# Altium PCB PCB_ovladaci_karta.PcbDoc (part 4 of 4)
Units mm, origin at the board's own origin, x right, y up, seen from the top; angles counter-clockwise.
Board outline 99.2 x 100 mm, 6 copper layers (Top Layer, Inner Layer 2(GND), Inner Layer 3, Inner Layer 4, Inner Layer 5, Bottom Layer 1), stack 1.548 mm thick; 236 components, 248 nets, 895 pads, 601 vias.
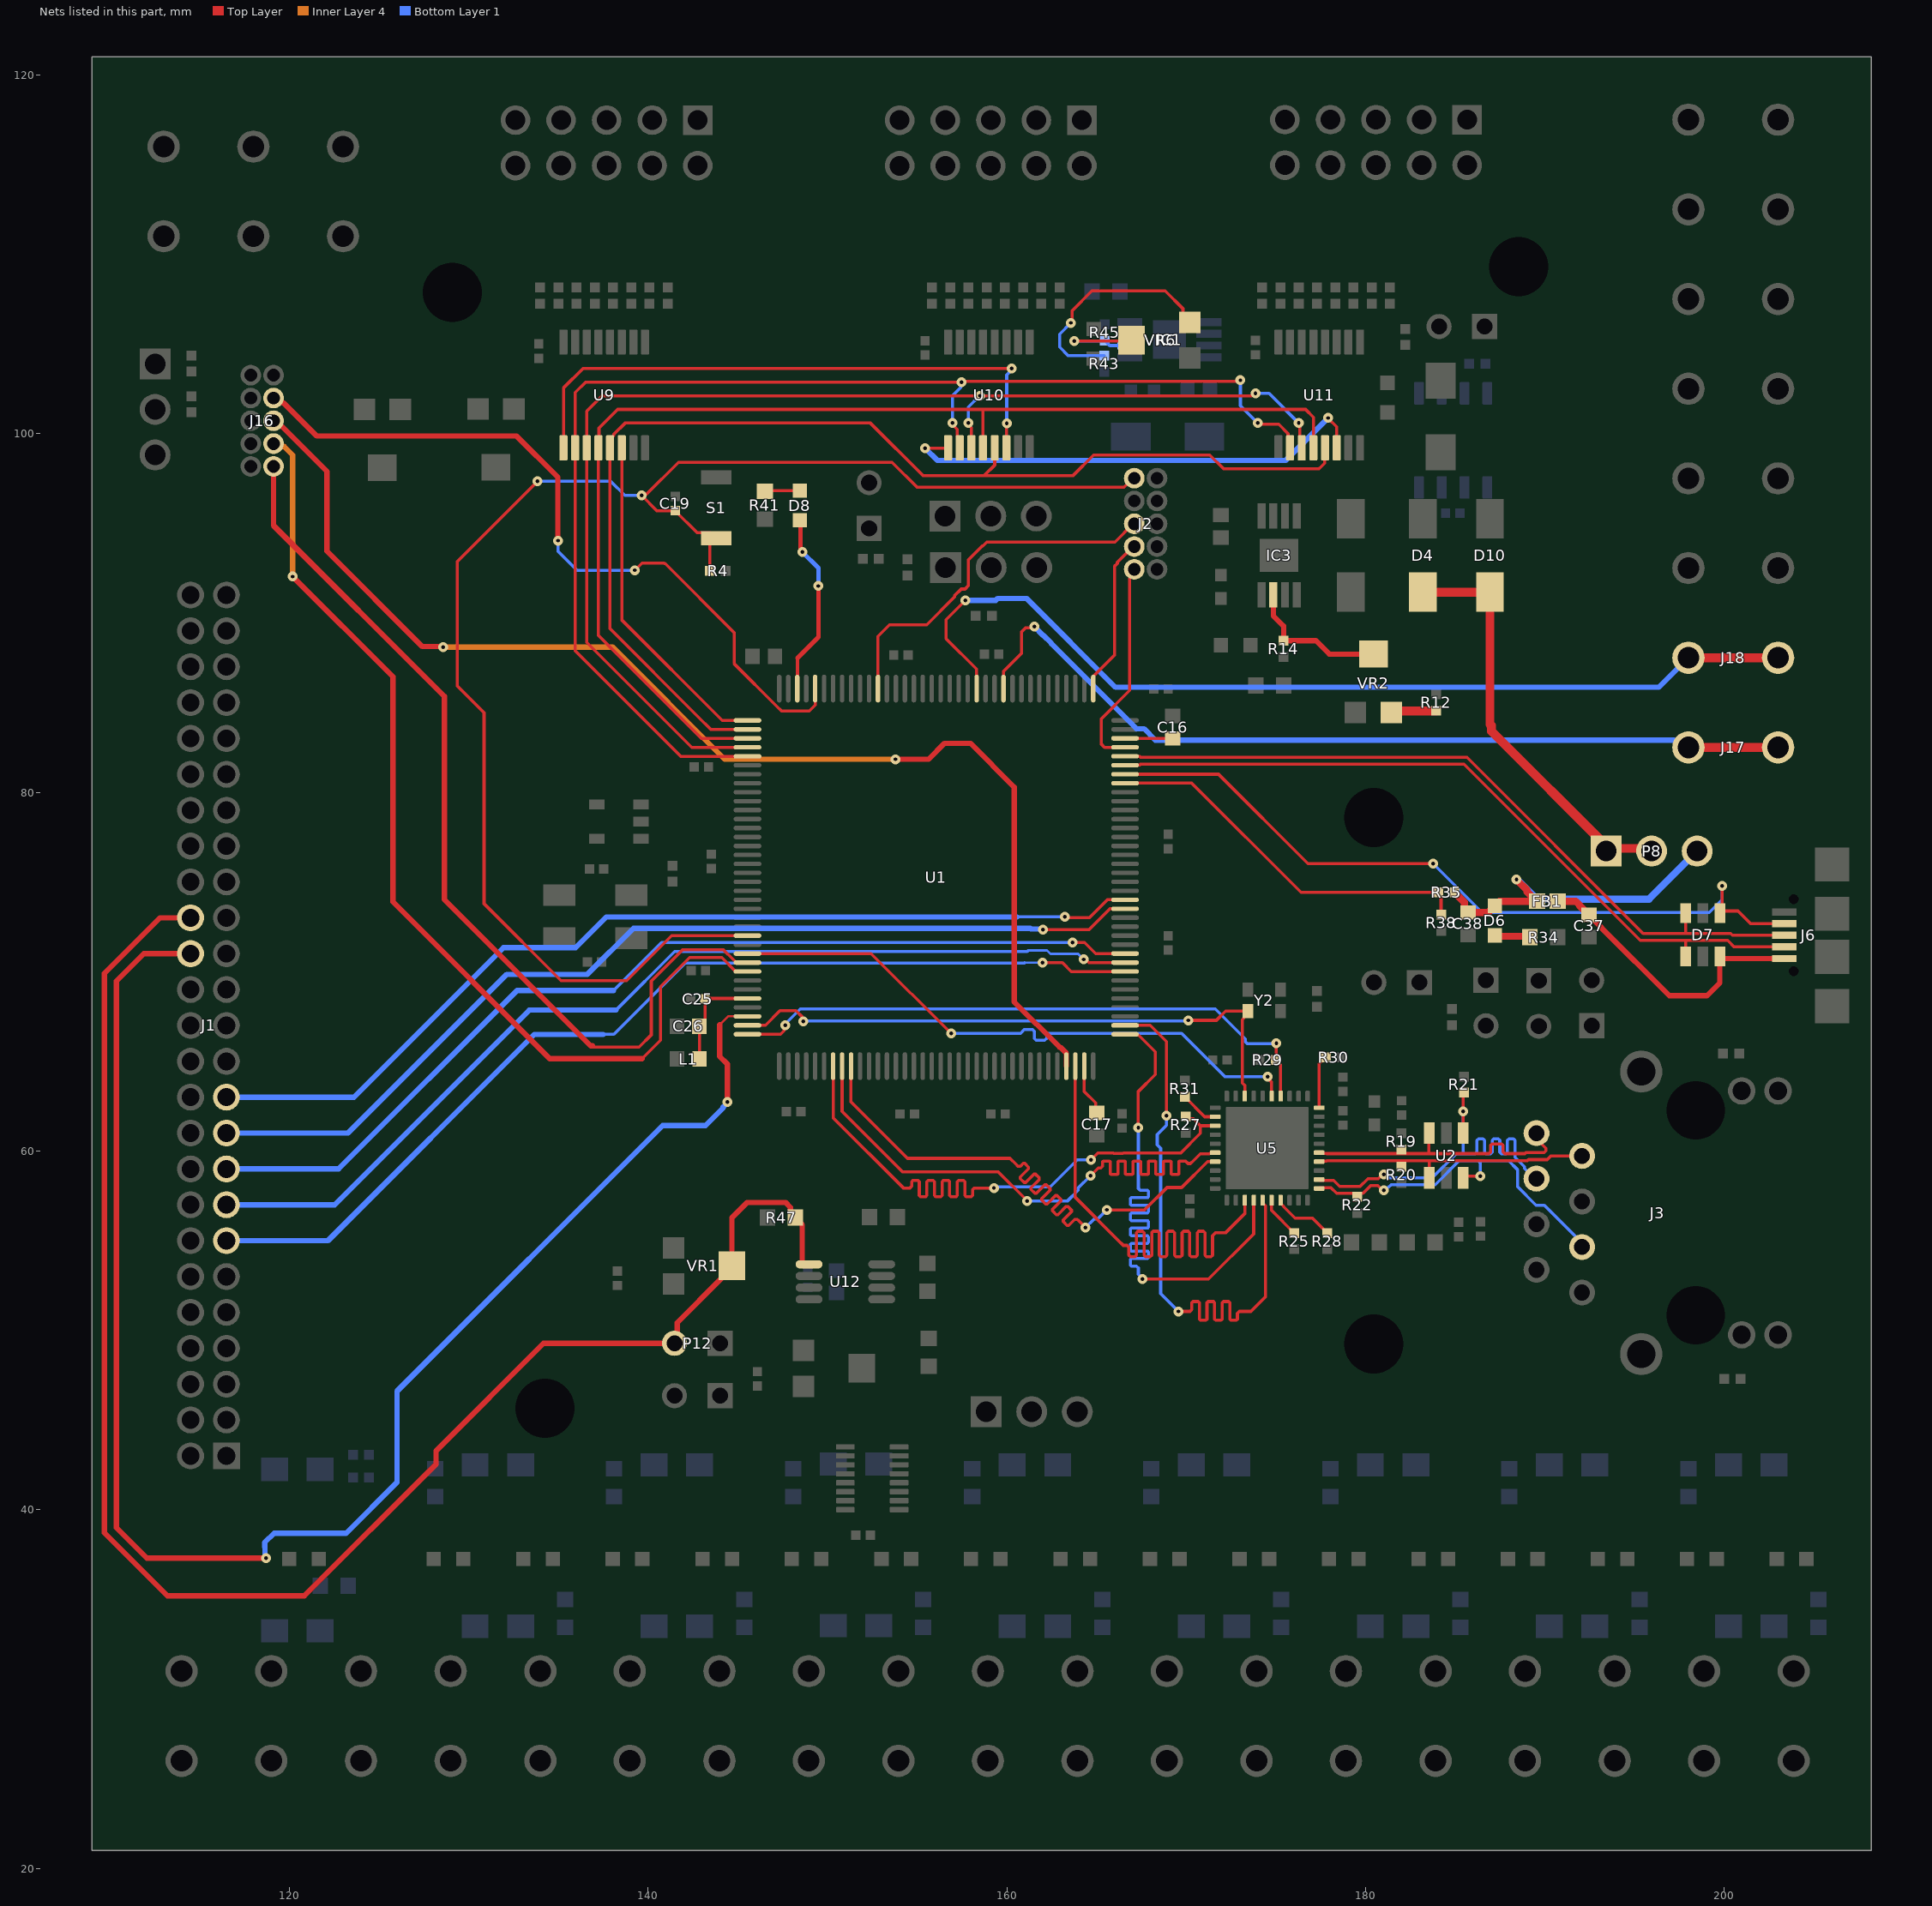
[diagram p8: the nets of this part, all layers, seen from the top]

## Via types
v1: diameter 0.55, hole 0.21, Top Layer to Bottom Layer 1, tented both sides, 589 vias
v2: diameter 0.5, hole 0.2, Top Layer to Bottom Layer 1, 12 vias

## Nets (pads, with @x,y where several pads share a name; then routed paths per layer and width w, separated by ;. In a path a pad name is that pad's centre, name@x,y a point inside that pad or via, vN(x,y) a via of type N, cw(c..) or ccw(c..) an arc to the next point about the centre after c; other vN are vias at no path point) (continued)
PMOS_SHFT_6TO10_NOE: J1.15 U1.81 | length 56.2
  Top Layer w0.17: v1(164.29,70.681) 164.362,70.609 164.472,70.609 164.58,70.501 U1.81@166.591,70.501
  Bottom Layer 1 w0.127: 161.202,71.179 162.248,71.179 162.433,70.993 163.978,70.993 v1(164.29,70.681)
  Bottom Layer 1 w0.17: 138.224,67.856 141.487,71.12 161.144,71.12 161.202,71.179
  Bottom Layer 1 w0.3: J1.15@116.5,57 122.532,57 133.388,67.856 138.224,67.856
PMOS_SHFT_6TO10_RCLK: J1.17 U1.82 | length 55.6
  Top Layer w0.17: v1(163.666,71.628) 164.333,71.628 164.956,71.005 U1.82@166.595,71.005
  Bottom Layer 1 w0.17: 138.08,68.948 140.76,71.628 v1(163.666,71.628)
  Bottom Layer 1 w0.3: J1.17@116.5,59 122.754,59 132.702,68.948 138.08,68.948
PMOS_SHFT_6TO10_SER: J1.13 U1.80 | length 56.7
  Top Layer w0.17: v1(162,70.5) 163.104,70.5 163.599,70.005 U1.80@166.595,70.005
  Bottom Layer 1 w0.127: 161,70.5 v1(162,70.5)
  Bottom Layer 1 w0.17: 137.5,66.5 138.103,66.5 142.088,70.485 160.985,70.485 161,70.5
  Bottom Layer 1 w0.3: J1.13@116.5,55 122.162,55 133.662,66.5 137.5,66.5
PMOS_SHFT_6TO10_SRCLK: J1.19 U1.87 | length 55.3
  Top Layer w0.17: v1(162.027,72.339) 164.589,72.339 165.751,73.501 166.591,73.501 U1.87@166.595,73.505
  Bottom Layer 1 w0.3: J1.19@116.5,61 123.281,61 132.128,69.847 136.623,69.847 139.191,72.415 161.315,72.415 161.353,72.377 161.988,72.377 v1(162.027,72.339)
PMOS_SHFT_6TO10_SRCLR: J1.21 U1.88 | length 54.7
  Top Layer w0.17: v1(163.246,73.05) 163.297,73 164.592,73 165.597,74.005 U1.88@166.595,74.005
  Bottom Layer 1 w0.17: 160.572,73.05 v1(163.246,73.05)
  Bottom Layer 1 w0.3: J1.21@116.5,63 123.607,63 131.94,71.333 135.961,71.333 137.678,73.05 160.572,73.05
PORTS2_SER: U9.9 U10.14 | length 33.3
  Top Layer w0.17: U9.9@135.287,99.202 135.287,102.539 136.38,103.632 v1(160.274,103.632) ; U10.14@159.979,99.202 159.989,99.213 159.989,100.553 v1(159.999,100.563)
  Bottom Layer 1 w0.17: v1(159.999,100.563) 159.999,103.268 160.274,103.543 v1(160.274,103.632)
PORTS3_SER: U10.9 U11.14 | length 26.8
  Top Layer w0.17: v1(155.448,99.187) 156.714,99.187 U10.9@156.729,99.202 ; v1@177.927,100.838 178.394,100.371 U11.14@178.394,99.202
  Bottom Layer 1 w0.3: v1(155.448,99.187) 156.135,98.5 175.542,98.5 v1(177.911,100.869)
PORTS_OE: U1.2 U9.13 U10.13 U11.13 | length 65.6
  Top Layer w0.17: U1.2@145.545,83.505 143.503,83.505 142.782,84.226 142.773,84.226 137.887,89.113 U9.13@137.887,99.202 137.887,99.677 138.1,99.89 138.1,99.961 138.723,100.584 152.4,100.584 155.321,97.663 158.75,97.663 ; U10.13@159.329,99.202 159.329,98.242 158.75,97.663 ; U11.13@177.744,99.202 177.722,99.18 177.722,98.347 177.531,98.156 177.419,98.044 172.085,98.044 171.323,98.806 164.846,98.806 163.703,97.663 158.75,97.663
PORTS_RCLK: U1.3 U9.12 U10.12 U11.12 | length 66.6
  Top Layer w0.17: U1.3@145.597,83.005 142.979,83.005 137.237,88.747 U9.12@137.237,99.202 137.269,99.234 137.269,100.312 138.303,101.346 158.623,101.346 ; U10.12@158.679,99.202 158.679,101.29 158.623,101.346 ; U11.12@177.094,99.202 177.094,100.909 176.657,101.346 158.623,101.346
PORTS_SER: U1.1 U9.14 | length 18.9
  Top Layer w0.17: U9.14@138.537,99.202 138.537,89.606 144.138,84.005 U1.1@145.545,84.005
PORTS_SRCLK: U1.4 U9.11 U10.11 U11.11 | length 70
  Top Layer w0.17: U1.4@145.793,82.505 142.437,82.505 136.587,88.356 U9.11@136.587,99.202 136.587,101.246 137.448,102.108 173.647,102.108 173.774,102.235 v1(173.863,102.235) ; v1(157.861,100.584) 157.861,100.495 158.029,100.327 U10.11@158.029,99.202 ; v1(176.276,100.584) 176.339,100.521 176.339,99.307 U11.11@176.444,99.202
  Bottom Layer 1 w0.17: v1(157.861,100.584) 157.861,101.473 v1(158.496,102.108) ; v1(173.863,102.235) 174.625,102.235 v1(176.276,100.584)
PORTS_SRCLR: U1.5 U9.10 U10.10 U11.10 | length 73.4
  Top Layer w0.17: U1.5@145.545,82.005 141.82,82.005 135.937,87.888 U9.10@135.937,99.202 135.937,102.282 136.525,102.87 v1(157.48,102.87) 157.531,102.921 172.974,102.921 v1(173.025,102.972) ; v1(156.972,100.584) 156.972,100.495 157.239,100.228 157.239,99.817 157.379,99.677 U10.10@157.379,99.202 ; v1(173.99,100.584) 174.053,100.521 175.16,100.521 175.678,100.003 175.678,99.318 U11.10@175.794,99.202
  Bottom Layer 1 w0.17: v1(156.972,100.584) 156.972,102.108 157.42,102.556 157.42,102.81 v1(157.48,102.87) ; v1(173.025,102.972) 173.025,101.549 v1(173.99,100.584)
R_BIAS: R30.2 U5.20 | length 3
  Top Layer w0.17: U5.20@177.417,62.406 177.417,64.862 R30.2@177.782,65.227
RD_N: J3.6 R22.2 U2.6 U5.11 | length 20.7
  Top Layer w0.17: U5.11@177.417,57.906 177.457,57.946 177.712,57.946 177.727,57.961 178.064,57.961 178.39,57.635 R22.2@179.527,57.635 ; R22.2@179.527,57.448 R22.2@179.527,57.635 ; v1(181.025,57.81) 180.95,57.81 180.692,58.068 180.292,58.068 179.859,57.635 R22.2@179.527,57.635 ; U2.6@185.45,58.5 185.55,58.6 v1(186.4,58.6)
  Bottom Layer 1 w0.17: v1(181.025,57.81) 181.101,57.81 181.29,57.999 181.315,57.999 181.436,58.12 183.884,58.12 185.216,59.452 186.275,59.452 ; v1@186.275,58.6 v1(186.4,58.6) 186.4,59.327 186.275,59.452 ; J3.6@192.07,54.645 192.07,54.877 189.97,56.977 189.506,56.977 188.468,58.015 188.468,58.965 187.981,59.452 186.275,59.452
RD_P: J3.3 R21.2 U2.1 U5.12 | length 23
  Top Layer w0.17: U5.12@177.417,58.406 177.457,58.366 177.712,58.366 177.727,58.351 178.225,58.351 178.551,58.025 179.697,58.025 180.13,58.458 180.708,58.458 180.95,58.699 v1(181.025,58.699) ; U2.1@185.45,61 185.443,61.007 185.443,63.193 R21.2@185.5,63.25
  Bottom Layer 1 w0.17: v1(181.025,58.699) 181.101,58.699 181.29,58.51 183.723,58.51 185.055,59.842 185.542,59.842 ; v1(185.443,62.198) 185.445,62.196 185.445,59.939 185.542,59.842 ; J3.3@189.53,58.455 189.428,58.455 188.858,59.025 188.858,59.127 188.787,59.198 188.333,59.652 188.333,60.589 188.248,60.674 187.994,60.674 187.909,60.589 187.909,59.927 187.824,59.842 187.57,59.842 187.485,59.927 187.485,60.589 187.4,60.674 187.146,60.674 187.061,60.589 187.061,59.927 186.976,59.842 186.722,59.842 186.637,59.927 186.637,60.589 186.552,60.674 186.298,60.674 186.213,60.589 186.213,59.942 186.113,59.842 186.028,59.842 185.542,59.842
RMII_CRS_DV_PA7: R27.2 U1.43 U5.33 | length 34.9
  Top Layer w0.17: U1.43@150.32,64.73 150.32,61.852 154.235,57.937 154.466,57.937 154.599,57.937 154.698,58.037 154.698,58.284 154.762,58.348 155.059,58.348 155.122,58.284 155.122,57.522 155.186,57.458 155.483,57.458 155.546,57.522 155.546,58.284 155.61,58.348 155.907,58.348 155.97,58.284 155.97,57.522 156.034,57.458 156.331,57.458 156.394,57.522 156.394,58.284 156.458,58.348 156.755,58.348 156.818,58.284 156.818,57.522 156.882,57.458 157.179,57.458 157.242,57.522 157.242,58.284 157.306,58.348 157.603,58.348 157.666,58.284 157.666,57.522 157.73,57.458 158.027,57.458 158.09,57.522 158.09,57.838 158.19,57.937 158.275,57.937 v1(159.283,57.937) ; v1(164.694,59.512) 165.075,59.893 165.933,59.893 165.963,59.863 166.472,59.863 166.502,59.893 169.702,59.893 170.795,60.987 170.795,61.406 ; R27.2@169.977,61.918 170.101,61.794 170.407,61.794 170.795,61.406 ; U5.33@171.617,61.406 170.795,61.406
  Bottom Layer 1 w0.17: v1(159.283,57.937) 159.347,58.001 162.42,58.001 163.932,59.512 v1(164.694,59.512)
RMII_MDC_PC1: U1.27 U5.25 | length 33.8
  Top Layer w0.17: U1.27@145.545,71.005 152.439,71.005 v1(156.896,66.548) ; v1(174.549,64.135) 174.549,64.046 174.767,63.828 U5.25@174.767,63.056
  Bottom Layer 1 w0.17: v1(156.896,66.548) 160.68,66.548 160.765,66.548 160.867,66.65 160.867,66.664 160.969,66.766 161.443,66.766 161.545,66.664 161.545,66.274 161.647,66.172 162.121,66.172 162.223,66.274 162.223,66.446 162.325,66.548 162.662,66.548 169.748,66.548 172.161,64.135 v1(174.549,64.135)
RMII_MDIO_PA2: R29.2 U1.36 U5.24 | length 34.3
  Top Layer w0.17: U1.36@145.545,66.505 147.389,66.505 147.577,66.693 147.577,66.932 v1(147.65,67.005) ; v1(175.031,66.015) 175.031,65.195 174.955,65.118 175.267,64.807 U5.24@175.267,63.056
  Bottom Layer 1 w0.17: v1(147.65,67.005) 147.65,67.086 148.484,67.92 171.628,67.92 173.304,66.243 173.304,66.087 173.404,65.987 175.004,65.987 v1(175.031,66.015)
RMII_MII_MODE: R31.2 U5.32 | length 2.2
  Top Layer w0.17: R31.2@169.926,63.017 171.037,61.906 U5.32@171.617,61.906
RMII_REF_CLK_PA1: U1.35 U5.28 Y2.3 | length 33.7
  Top Layer w0.17: U1.35@145.554,67.014 146.549,67.014 147.356,67.821 148.245,67.821 148.593,67.473 148.593,67.307 v1(148.666,67.234) ; v1(170.129,67.285) 171.686,67.285 172.205,67.803 Y2.3@173.447,67.803 ; U5.28@173.267,63.056 173.267,63.658 173.137,63.788 173.137,67.327 173.235,67.425 173.235,67.585 Y2.3@173.45,67.8
  Bottom Layer 1 w0.17: v1(148.666,67.234) 148.692,67.259 170.104,67.259 v1(170.129,67.285)
RMII_RXD_0_PC4: U1.44 U5.36 | length 33.9
  Top Layer w0.17: U1.44@150.82,64.73 150.82,62.21 154.203,58.826 159.537,58.826 161.138,57.226 v1(161.138,57.201) ; v1(164.668,58.623) 164.673,58.623 165.108,59.058 165.161,59.058 165.246,59.058 165.346,59.158 165.346,59.397 165.388,59.44 165.727,59.44 165.77,59.397 165.77,58.728 165.812,58.686 166.151,58.686 166.194,58.728 166.194,59.397 166.236,59.44 166.575,59.44 166.618,59.397 166.618,58.728 166.66,58.686 166.999,58.686 167.042,58.728 167.042,59.397 167.084,59.44 167.423,59.44 167.466,59.397 167.466,58.728 167.508,58.686 167.847,58.686 167.89,58.728 167.89,59.397 167.932,59.44 168.271,59.44 168.314,59.397 168.314,58.728 168.356,58.686 168.695,58.686 168.738,58.728 168.738,59.397 168.78,59.44 169.119,59.44 169.162,59.397 169.162,58.728 169.204,58.686 169.543,58.686 169.586,58.728 169.586,59.397 169.628,59.44 169.967,59.44 170.107,59.3 170.248,59.3 170.459,59.512 170.79,59.843 171.302,59.843 171.326,59.866 171.577,59.866 U5.36@171.617,59.906
  Bottom Layer 1 w0.17: v1(161.138,57.201) 163.372,57.201 163.984,57.812 163.984,57.939 v1(164.668,58.623)
RMII_RXD_1_PC5: U1.45 U5.37 | length 33.7
  Top Layer w0.17: U1.45@151.32,64.73 151.32,62.726 154.457,59.588 160.184,59.588 160.514,59.259 160.619,59.154 160.76,59.154 160.913,59.307 161.003,59.307 161.213,59.097 161.213,59.007 160.756,58.55 160.756,58.46 160.966,58.25 161.056,58.25 161.513,58.707 161.603,58.707 161.813,58.497 161.813,58.407 161.355,57.95 161.355,57.86 161.565,57.65 161.655,57.65 162.112,58.108 162.202,58.108 162.412,57.898 162.412,57.808 161.955,57.351 161.955,57.261 162.165,57.051 162.255,57.051 162.712,57.508 162.802,57.508 163.012,57.298 163.012,57.208 162.555,56.751 162.555,56.661 162.764,56.451 162.854,56.451 163.312,56.908 163.402,56.908 163.611,56.699 163.611,56.609 163.154,56.151 163.154,56.061 163.364,55.852 163.454,55.852 163.789,56.187 163.93,56.187 163.99,56.126 v1(164.389,55.728) ; v1(165.583,56.718) 167.691,56.718 168.935,57.963 169.748,57.963 171.191,59.406 U5.37@171.617,59.406
  Bottom Layer 1 w0.17: v1(164.389,55.728) 164.858,56.197 165.062,56.197 v1(165.583,56.718)
RMII_TX_EN_PB11: U1.70 U5.3 | length 34
  Top Layer w0.17: U1.70@163.82,64.73 163.82,57.414 166.209,55.025 166.497,54.737 166.707,54.737 166.807,54.637 166.807,54.188 166.892,54.104 167.146,54.104 167.231,54.188 167.231,55.44 167.316,55.525 167.57,55.525 167.655,55.44 167.655,54.188 167.74,54.104 167.994,54.104 168.079,54.188 168.079,55.44 168.164,55.525 168.418,55.525 168.503,55.44 168.503,54.188 168.588,54.104 168.842,54.104 168.927,54.188 168.927,55.44 169.012,55.525 169.266,55.525 169.351,55.44 169.351,54.188 169.436,54.104 169.69,54.104 169.775,54.188 169.775,55.44 169.86,55.525 170.114,55.525 170.199,55.44 170.199,54.188 170.284,54.104 170.538,54.104 170.623,54.188 170.623,55.44 170.708,55.525 170.962,55.525 171.047,55.44 171.047,54.188 171.132,54.104 171.386,54.104 171.471,54.188 171.471,55.267 171.571,55.366 171.656,55.451 172.214,55.451 173.267,56.503 U5.3@173.267,57.256
RMII_TXD_0_PB12: U1.73 U5.4 | length 33.7
  Top Layer w0.17: U1.73@166.595,66.505 166.61,66.49 167.317,66.49 168.275,65.532 168.275,64.26 167.334,63.319 v1(167.335,61.29) ; v1(167.564,52.857) 171.247,52.857 173.767,55.378 U5.4@173.767,57.256
  Bottom Layer 1 w0.17: v1(167.335,61.29) 167.335,58.089 167.335,57.915 167.435,57.815 167.838,57.815 167.902,57.752 167.902,57.455 167.838,57.391 166.949,57.391 166.886,57.328 166.886,57.031 166.949,56.967 167.838,56.967 167.902,56.904 167.902,56.607 167.838,56.543 166.949,56.543 166.886,56.48 166.886,56.183 166.949,56.119 167.838,56.119 167.902,56.056 167.902,55.759 167.838,55.695 166.949,55.695 166.886,55.632 166.886,55.335 166.949,55.271 167.838,55.271 167.902,55.208 167.902,54.911 167.838,54.847 166.949,54.847 166.886,54.784 166.886,54.487 166.949,54.423 167.838,54.423 167.902,54.36 167.902,54.063 167.838,53.999 166.949,53.999 166.886,53.936 166.886,53.639 166.949,53.575 167.236,53.575 167.335,53.476 167.335,53.391 167.335,53.122 167.564,52.893 v1(167.564,52.857)
RMII_TXD_1_PB_13: U1.74 U5.5 | length 34.8
  Top Layer w0.17: U1.74@166.595,67.005 167.996,67.005 168.899,66.102 v1(168.899,61.965) ; v1(169.57,51.054) 170.129,51.054 170.214,51.054 170.314,51.154 170.314,51.542 170.377,51.606 170.674,51.606 170.738,51.542 170.738,50.625 170.801,50.561 171.098,50.561 171.162,50.625 171.162,51.542 171.225,51.606 171.522,51.606 171.586,51.542 171.586,50.625 171.649,50.561 171.946,50.561 172.01,50.625 172.01,51.542 172.073,51.606 172.37,51.606 172.434,51.542 172.434,50.625 172.497,50.561 172.794,50.561 172.858,50.625 172.858,50.954 172.957,51.054 173.38,51.054 173.609,51.054 174.422,51.867 174.422,56.941 174.322,57.041 174.307,57.041 174.267,57.081 U5.5@174.267,57.256
  Bottom Layer 1 w0.17: v1(168.899,61.965) 168.899,61.431 168.388,60.92 168.388,60.34 168.58,60.148 168.58,52.045 v1(169.57,51.054)
SPI2_MISO: J16.1 U1.28 | length 52.7
  Top Layer w0.17: 136.906,65.857 136.971,65.792 139.503,65.792 140.183,66.472 140.183,69.469 141.922,71.208 144.215,71.208 144.755,70.668 144.855,70.568 144.855,70.567 144.917,70.505 U1.28@145.545,70.505
  Top Layer w0.3: J16.1@119.126,98.171 119.126,94.869 128.644,85.351 128.644,74.022 136.809,65.857 136.906,65.857
SPI2_MOSI: J16.3 U1.29 | length 56.4
  Top Layer w0.17: 139.675,65.151 140.691,66.167 140.691,69.158 142.322,70.79 144.11,70.79 144.895,70.005 U1.29@145.545,70.005
  Top Layer w0.3: v1(120.193,92.024) 125.781,86.436 125.781,73.889 134.518,65.151 139.675,65.151
  Inner Layer 4 w0.3: J16.3@119.126,99.441 119.289,99.278 119.72,99.278 120.193,98.806 v1(120.193,92.024)
SPI2_NSS: J16.7 U1.140 | length 42.2
  Top Layer w0.17: v1(139.268,92.38) 139.663,92.775 140.879,92.775 140.909,92.745 140.961,92.745 144.8,88.905 144.8,87.173 147.18,84.793 147.183,84.793 147.447,84.529 147.932,84.529 148.985,84.529 149.32,84.864 U1.140@149.32,85.78
  Top Layer w0.3: J16.7@119.126,101.981 119.356,101.981 119.634,101.703 119.697,101.703 121.535,99.865 132.672,99.865 134.976,97.561 v1(134.976,94.031)
  Bottom Layer 1 w0.17: v1(134.976,94.031) 134.976,93.447 136.042,92.38 v1(139.268,92.38)
SPI2_SCK: J16.5 U1.69 | length 69.9
  Top Layer w0.3: J16.5@119.126,100.711 119.277,100.711 122.103,97.885 122.103,93.441 127.419,88.125 128.537,88.125 v1(128.575,88.087) ; v1(153.797,81.839) 155.642,81.839 156.531,82.728 157.976,82.728 160.419,80.285 160.419,68.308 162.945,65.782 162.987,65.782 163.32,65.449 U1.69@163.32,64.73
  Inner Layer 4 w0.3: v1(128.575,88.087) 138.035,88.087 144.283,81.839 v1(153.797,81.839)
status_LED: D8.2 U1.142 | length 10.3
  Top Layer w0.17: U1.142@148.32,85.78 148.334,85.794 148.334,87.484 ; D8.2@148.463,95.162 D8.2@148.5,95.125
  Top Layer w0.25: 148.334,87.484 149.5,88.649 v1(149.5,91.5) ; D8.2@148.5,95.125 148.5,93.581 148.6,93.481 v1(148.6,93.4)
  Bottom Layer 1 w0.25: v1(148.6,93.4) 149.5,92.5 v1(149.5,91.5)
STATUS_LED_K: D8.1 R41.2 | length 2
  Top Layer w0.17: R41.2@146.51,96.78 146.542,96.812 D8.1@148.463,96.812
STM_NRTS: C19.1 J2.10 R4.2 S1.2 U1.25 | length 85.7
  Top Layer w0.17: v1(133.833,97.333) 129.362,92.862 129.362,85.928 130.861,84.43 130.861,73.787 135.153,69.494 138.811,69.494 141.322,72.005 U1.25@145.545,72.005 ; R4.2@143.441,92.354 143.441,93.845 143.756,94.16 143.441,94.475 142.741,94.475 C19.1@141.515,95.7 140.495,95.7 v1(139.649,96.545) 139.722,96.618 139.921,96.618 141.703,98.4 153.6,98.4 155,97 166.537,97 167.047,97.511 J2.10@167.107,97.511
  Bottom Layer 1 w0.17: v1(133.833,97.333) 137.922,97.333 138.709,96.545 v1(139.649,96.545)
SWCLK: J2.4 U1.109 | length 8.9
  Top Layer w0.17: U1.109@164.82,85.78 164.82,86.452 164.86,86.492 164.86,86.503 166,87.643 166,92.594 166.167,92.761 166.167,92.82 167.047,93.701 J2.4@167.107,93.701
SWDIO: J2.2 U1.105 | length 11.9
  Top Layer w0.17: U1.105@166.595,82.505 165.45,82.505 165.278,82.677 165.278,84.099 166.853,85.674 166.853,91.911 167.107,92.165 J2.2@167.107,92.431
SWO: J2.6 U1.133 | length 20.7
  Top Layer w0.17: U1.133@152.82,85.78 152.82,88.696 153.459,89.336 155.536,89.336 157.086,90.886 157.086,90.954 157.462,91.331 157.677,91.331 157.849,91.503 157.849,92.949 158.633,93.734 158.664,93.734 158.885,93.955 166.031,93.955 167.047,94.971 J2.6@167.107,94.971
TD_N: J3.2 R20.2 U2.4 U5.14 | length 16.1
  Top Layer w0.17: U5.14@177.417,59.406 177.453,59.442 177.828,59.442 177.847,59.461 181.991,59.461 ; R20.2@181.991,59.099 181.991,59.461 ; U2.4@183.515,58.515 183.55,58.55 183.55,59.45 183.561,59.461 ; J3.2@192.07,59.725 190.328,59.725 190.12,59.517 189.09,59.517 189.034,59.461 183.561,59.461 ; 181.991,59.461 183.561,59.461
TD_P: J3.1 R19.2 U2.3 U5.15 | length 16.2
  Top Layer w0.17: U5.15@177.417,59.906 177.453,59.87 177.828,59.87 177.847,59.851 R19.2@181.991,59.851 ; R19.2@181.991,60.078 R19.2@181.991,59.851 ; 183.525,59.853 183.525,60.925 U2.3@183.55,60.95 ; J3.1@189.53,60.995 189.53,60.675 190.058,60.147 190.058,60.007 189.958,59.907 188.929,59.907 188.873,59.851 188.076,59.851 187.76,59.851 187.66,59.951 187.66,60.326 187.592,60.394 187.05,60.394 186.982,60.326 186.982,59.951 186.882,59.851 186.797,59.851 R19.2@181.991,59.851
TRIM_CW_3V3: R12.2 VR2.3 | length 2.5
  Top Layer w0.5: VR2.3@181.436,84.452 181.511,84.527 183.911,84.527 R12.2@183.936,84.552
TRIM_CW_5V: R43.2 VR6.3 | length 13
  Top Layer w0.17: v1(163.576,106.172) 163.639,106.235 163.639,106.845 164.749,107.955 168.829,107.955 169.822,106.962 169.822,106.588 VR6.3@170.203,106.207
  Bottom Layer 1 w0.17: v1(163.576,106.172) 162.945,105.541 162.945,104.822 163.431,104.336 R43.2@165.43,104.336
TRIM_WIP_3V3: IC3.2 R14.1 VR2.2 | length 8.1
  Top Layer w0.3: IC3.2@174.861,91.002 174.861,89.84 175.436,89.265 R14.1@175.436,88.452 177.236,88.452 177.986,87.702 VR2.2@180.436,87.702
TRIM_WIP_5V: IC1.2 R45.1 VR6.2 | length 6.5
  Top Layer w0.17: v1(163.754,105.156) 166.902,105.156 VR6.2@166.953,105.207
  Bottom Layer 1 w0.17: v1(163.754,105.156) 165.423,105.156 R45.1@165.456,105.189 165.737,104.907 IC1.2@166.862,104.907
TXD_2: R25.1 U5.6 | length 2.4
  Top Layer w0.17: U5.6@174.767,57.256 174.767,56.678 R25.1@176.022,55.423
TXD_3: R28.1 U5.7 | length 3.5
  Top Layer w0.17: U5.7@175.267,57.256 175.267,57.081 175.43,56.918 175.43,56.897 176.072,56.255 177.044,56.255 R28.1@177.876,55.423
USART2_RX: J18.1 J18.2 U1.122 | length 54.1
  Top Layer w0.17: v1(157.7,90.7) 156.624,89.624 156.624,88.561 158.32,86.865 U1.122@158.32,85.78
  Top Layer w0.5: J18.1@198,87.5 J18.2@203,87.5
  Bottom Layer 1 w0.3: v1(157.7,90.7) 159.388,90.7 159.493,90.805 161.113,90.805 166.066,85.852 196.352,85.852 J18.1@198,87.5
USART2_TX: J17.1 J17.2 U1.119 | length 48.7
  Top Layer w0.17: U1.119@159.82,85.78 159.82,86.744 160.834,87.758 160.834,88.951 161.05,89.167 161.481,89.167 v1(161.544,89.23)
  Top Layer w0.5: J17.1@198,82.5 J17.2@203,82.5
  Bottom Layer 1 w0.3: v1(161.544,89.23) 162.024,88.751 162.039,88.751 162.487,88.302 162.487,88.287 167.234,83.541 167.65,83.541 168.285,82.906 197.189,82.906 197.594,82.5 J17.1@198,82.5
USB_5V: C38.1 D6.2 FB1.2 P8.3 R35.1 | length 18.9
  Top Layer w0.4: R35.1@184.963,74.421 185.515,73.868 185.515,73.494 C38.1@185.713,73.297 186.838,73.297 187.463,73.921 FB1.2@189.56,73.921 189.537,73.921 189.012,74.445 189.012,74.538 v1(188.417,75.133)
  Bottom Layer 1 w0.4: v1(188.417,75.133) 188.458,75.133 189.55,74.041 195.808,74.041 P8.3@198.488,76.721
USB_5V_from_jumper: D4.2 D10.2 P8.1 P8.2 | length 23.3
  Top Layer w0.5: D4.2@183.186,91.152 D10.2@186.936,91.152 186.936,83.794 187.012,83.718 187.012,83.413 193.556,76.869 P8.2@196.096,76.869
USB_D_N: D7.4 J6.3 U1.103 | length 41.9
  Top Layer w0.17: U1.103@166.595,81.505 166.61,81.52 167.417,81.52 167.456,81.56 185.49,81.56 195.311,71.739 197.84,71.739 ; D7.4@197.85,70.85 197.85,71.729 197.84,71.739 ; J6.3@203.341,71.376 200.553,71.376 200.19,71.739 197.84,71.739
USB_D_P: D7.3 J6.4 U1.104 | length 42
  Top Layer w0.17: U1.104@166.595,82.005 166.61,81.99 167.417,81.99 167.456,81.95 185.652,81.95 195.473,72.129 197.861,72.129 ; D7.3@197.85,73.25 197.85,72.14 197.861,72.129 ; J6.4@203.341,72.026 200.455,72.026 200.352,72.129 197.861,72.129
USB_ID: D7.1 J6.5 U1.102 | length 43
  Top Layer w0.17: U1.102@166.595,81.005 171.81,81.005 176.793,76.022 v1(183.769,76.022) ; v1(199.873,74.778) 199.873,73.373 D7.1@199.75,73.25 199.881,73.381 200.762,73.381 201.466,72.676 J6.5@203.341,72.676
  Bottom Layer 1 w0.17: v1(183.769,76.022) 186.487,73.304 199.161,73.304 199.873,74.016 v1(199.873,74.778)
USB_LED_K: D6.1 R34.2 | length 2
  Top Layer w0.4: D6.1@187.213,72.021 187.263,71.971 189.109,71.971 R34.2@189.159,71.921
USB_SENSE: R35.2 R38.1 U1.101 | length 21.1
  Top Layer w0.17: U1.101@166.595,80.505 170.32,80.505 176.404,74.421 R35.2@184.063,74.421 ; R38.1@184.213,73.171 R35.2@184.213,74.271
V_pin_sense1: J1.30 U1.34 | length 90.4
  Top Layer w0.127: 144,67.038 144.467,67.505 U1.34@145.545,67.505
  Top Layer w0.3: J1.30@114.5,71 111.894,71 110.363,69.469 110.363,38.994 112.057,37.3 v1(118.7,37.3) ; 144,67.038 144,65.272 144.424,64.848 v1(144.424,62.738)
  Bottom Layer 1 w0.3: v1(118.7,37.3) 118.652,37.348 118.652,37.917 118.642,37.926 118.642,38.175 119.155,38.688 123.168,38.688 126.009,41.529 126.009,46.609 140.817,61.417 143.205,61.417 144.193,62.405 144.193,62.452 144.424,62.684 v1(144.424,62.738)
V_ref_analog: C25.1 C26.1 L1.2 U1.32 | length 5.9
  Top Layer w0.17: L1.2@142.875,65.126 142.875,66.945 C26.1@142.866,66.954 143.18,67.268 C25.1@143.18,68.478 143.206,68.505 U1.32@145.545,68.505
VBUS: C37.1 D7.6 FB1.1 J6.1 | length 16.7
  Top Layer w0.3: C37.1@192.463,73.173 192.493,73.173 192.747,72.919 192.747,72.846 192.992,72.601 193.011,72.601 193.174,72.439 193.174,72.419 196.937,68.656 199.034,68.656 199.75,69.372 199.75,70.726 D7.6@199.75,70.85 199.874,70.726 J6.1@203.341,70.726
  Top Layer w0.4: FB1.1@190.713,73.921 191.714,73.921 191.949,73.687 191.949,73.656 192.432,73.173 C37.1@192.463,73.173
VCAP1: C17.1 U1.71 | length 2.9
  Top Layer w0.17: U1.71@164.32,64.73 164.32,63.315 164.957,62.678 164.957,62.186 C17.1@165.024,62.119
VCAP2: C16.1 U1.106 | length 2.7
  Top Layer w0.17: U1.106@166.595,83.005 169.245,83.005 C16.1@169.25,83
Vref1: J1.32 P12.2 R47.2 U12.1 VR1.2 | length 92.6
  Top Layer w0.3: J1.32@114.5,73 112.8,73 109.7,69.9 109.7,38.707 113.207,35.2 120.844,35.2 128.184,42.54 128.184,43.284 134.176,49.276 P12.2@141.478,49.276 141.626,49.424 141.626,50.426 144.079,52.879 144.079,52.994 VR1.2@144.679,53.594 144.679,56.287 145.517,57.125 147.675,57.125 147.944,56.856 147.944,56.592 148.231,56.305 R47.2@148.243,56.305 ; R47.2@148.224,56.26 148.6,55.883 148.6,53.749 148.669,53.68 U12.1@148.978,53.68
pads on no net: IC1.3 IC1.7 IC3.3 IC3.7 J2.7 J2.8 J3.7 J3.MH1 J3.MH2 J3.MH3 J3.MH4 J6.MH1 J6.MH2 U1.7 U1.13 U1.14 U1.19 U1.21 U1.22 U1.53 U1.55 U1.59 U1.60 U1.63 U1.100 U1.117 U1.118 U1.123 U1.124 U1.125 U1.126 U1.127 U1.128 U1.129 U1.132 U1.134 U1.139 U1.141 U5.2 U5.8 U5.9 U5.10 U5.27 U5.31 U5.34 U5.35 U5.38 U5.39 U7.7 U8.5 U8.8 U11.9 VR1.3 VR2.1 VR3.3 VR6.1

## Polygon pours and split planes (outlines as drawn)
3V3_MCU on Top Layer "3V3_MCU_L01_P000" (solid, pour order 0): 174.473,91.745 172.999,91.745 172.491,91.237 171.348,91.237 171.348,87.452 171.399,87.401 172.568,87.401 172.568,88.976 172.822,89.23 174.473,89.23
GND on Inner Layer 2(GND) "GND_L02_P001" (solid, pour order 1): 109.5,21.5 109.5,120.5 207.5,120.5 207.5,21.5
GND on Inner Layer 5 "GND_L05_P002" (solid, pour order 2): 109.5,21.5 109.5,120.5 207.5,120.5 207.5,21.5
BOARD_PWR on Inner Layer 3 "BOARD_PWR_L03_P003" (solid, remove dead copper, pour order 3): 109.5,21.5 109.5,120.5 207.5,120.5 207.5,21.5
3V3_MCU on Inner Layer 4 "3V3_MCU_L04_P004" (solid, remove dead copper, pour order 4): 109.5,21.5 109.5,120.5 207.5,120.5 207.5,21.5

## Silkscreen, mask and mechanical layers (free items; w line width, h text height)
Top Overlay:
  lines w0.127: 109.649,96.983 114.627,96.983 ; 113.106,74.752 113.106,81.407 ; 113.182,62.433 113.182,67.64 ; 116.103,97.028 120.929,97.028 ; 116.357,36.043 116.357,39.751 ; 116.5,97.6 116.5,103.9 ; 127.025,35.458 127.025,39.827 ; 137.007,35.458 137.007,38.837 ; 146.989,35.458 146.989,38.837 ; 156.97,35.458 156.97,38.837 ; 166.952,35.458 166.952,38.837 ; 176.933,35.458 176.933,38.837 ; 186.915,35.458 186.915,38.837 ; 191.237,81.229 191.237,89.256 ; 191.237,95.377 191.237,104.648 ; 192.682,78.428 196.543,78.428 ; 196.897,35.458 196.897,38.837
  lines w0.3: 127.406,39.243 206.705,39.243
  text "ADC1" at 118.855,120.717 h0.7 r180
  text "ADC2" at 124.055,120.717 h0.7 r180
  text "5V-out" at 114.433,120.673 h0.7 r180
  text "GND" at 207.62,116.84 h0.89 r90
  text "GND" at 192.507,116.459 h0.89 r90
  text "GND" at 207.62,111.43 h0.89 r90
  text "GND" at 192.507,111.049 h0.89 r90
  text "12V!" at 176.063,110.947 h0.5 r180
  text "12V!" at 133.172,110.922 h0.5 r180
  text "12V!" at 154.591,110.918 h0.5 r180
  text "1" at 185.614,110.921 h0.5 r180
  text "1" at 142.723,110.896 h0.5 r180
  text "1" at 164.141,110.892 h0.5 r180
  text "EXT1" at 139.019,110.19 h0.95 r180
  text "EXT2" at 160.742,110.19 h0.95 r180
  text "EXT3" at 182.351,110.19 h0.95 r180
  text "2" at 185.69,110.109 h0.5 r180
  text "2" at 142.799,110.084 h0.5 r180
  text "2" at 164.217,110.079 h0.5 r180
  text "GND" at 176.012,109.931 h0.5 r180
  text "GND" at 133.121,109.906 h0.5 r180
  text "GND" at 154.54,109.902 h0.5 r180
  text "+12V" at 207.62,106.451 h0.89 r90
  text "+12V" at 192.507,106.07 h0.89 r90
  text "5V - out" at 114.413,105.773 h0.5 r180
  text "ADC1" at 118.873,105.773 h0.5 r180
  text "ADC2" at 124.073,105.773 h0.5 r180
  text "CAN" at 188.976,104.775 h0.89 r90
  text "120R" at 190.221,104.14 h0.89 r90
  text "12VOK" at 180.645,103.734 h0.5
  text "SCL" at 109.488,103.577 h0.5
  text "3V3" at 120.527,103.027 h0.5
  text "5V_TRIM" at 169.77,102.71 h0.5 r180
  text "NSS" at 120.527,101.757 h0.5
  text "5VOK" at 165.075,101.524 h0.5 r90
  text "SDA" at 109.408,101.132 h0.5
  text "CAN H" at 207.62,100.787 h0.89 r90
  text "SCK" at 120.527,100.487 h0.5
  text "CAN H" at 192.507,100.406 h0.89 r90
  text "GND" at 116.273,100.227 h0.5 r90
  text "MOSI" at 120.527,99.217 h0.5
  text "RESET" at 143.104,98.577 h0.5
  text "GND" at 109.377,98.48 h0.5
  text "CAN" at 190.729,98.312 h0.89 r90
  text "GND" at 153.922,97.958 h0.5 r270
  text "MISO" at 120.527,97.947 h0.5
  text "STATUS" at 149.627,97.273 h0.5 r270
  text "nRST" at 163.927,97.227 h0.5
  text "GND" at 169.927,97.227 h0.5
  text "3V3" at 155.957,97.147 h0.5
  text "BOOT0" at 158.046,97.147 h0.5
  text "GND" at 161.02,97.132 h0.5
  text "ADC1_TRIM" at 126.975,96.741 h0.5 r180
  text "ADC2_TRIM" at 133.811,96.593 h0.5 r180
  text "I2C" at 111.901,96.242 h0.5
  text "NC" at 164.827,96.127 h0.5
  text "SPI" at 117.983,96.114 h0.5
  text "NC" at 169.927,96.027 h0.5
  text "CAN L" at 207.62,95.783 h0.89 r90
  text "CAN L" at 192.507,95.402 h0.89 r90
  text "PDR" at 153.927,95.273 h0.5 r270
  text "SWO" at 164.227,94.727 h0.5
  text "GND" at 169.827,94.727 h0.5
  text "GND" at 169.827,93.527 h0.5
  text "SWCLK" at 163.427,93.427 h0.5
  text "GPIIOs" at 117.348,93.243 h0.76
  text "CARD" at 124.148,93.067 h0.76
  text "3v3" at 169.927,92.627 h0.5
  text "CARD" at 110.16,92.227 h0.76
  text "SWDIO" at 163.427,92.127 h0.5
  text "IO1 - N1_SRCLR" at 118.262,90.779 h0.76
  text "USB5V" at 207.62,90.729 h0.89 r90
  text "P1_SER" at 110.555,90.665 h0.5
  text "USB5V" at 192.507,90.348 h0.89 r90
  text "3V3" at 155.902,90.269 h0.5
  text "BOOT1" at 158.186,90.25 h0.5
  text "GND" at 161.047,90.247 h0.5
  text "IO2 - N1_SRCLK" at 118.212,88.823 h0.76
  text "P1_nOE" at 110.555,88.71 h0.5
  text "3VOK" at 168.935,88.011 h0.5
  text "IO3 - N1_RCLK" at 118.262,86.779 h0.76
  text "P1_RCLK" at 110.055,86.665 h0.5
  text "RX2" at 207.62,86.589 h0.89 r90
  text "RX2" at 192.507,86.208 h0.89 r90
  text "IO4 - N1_SER" at 118.212,84.823 h0.76
  text "P1_SRCLK" at 109.555,84.71 h0.5
  text "1" at 144.214,84.081 h0.38
  text "2" at 144.145,83.439 h0.38
  text "UART" at 190.729,83.312 h0.89 r90
  text "3V3_TRIM" at 182.093,83.051 h0.5 r180
  text "IO5 - N1_NOE" at 118.262,82.779 h0.76
  text "P1_SRCLR" at 109.555,82.665 h0.5
  text "TX2" at 207.62,81.585 h0.89 r90
  text "TX2" at 192.507,81.204 h0.89 r90
  text "IO6 - MUX1_A2" at 118.212,80.823 h0.76
  text "IO7 - MUX1_A1" at 118.262,78.779 h0.76
  text "USB5VOUT" at 192.675,78.654 h0.5
  text "USB5V" at 197.443,78.673 h0.5
  text "GND" at 112.504,77.448 h0.76 r90
  text "USB5V" at 186.944,76.911 h0.5 r270
  text "IO8 - MUX1_nEN" at 118.212,76.823 h0.76
  text "Tajna myskavec" at 152.019,75.13 h0.6
  text "IO9 - MUX1_A0" at 118.262,74.779 h0.76
  text "DAC" at 111.971,72.718 h0.5
  text "IO10- D1" at 118.212,72.697 h0.76
  text "OSC_EN" at 180.377,70.96 h0.5
  text "IO11- D2" at 118.262,70.653 h0.76
  text "ADC" at 111.971,70.584 h0.5
  text "IO12- D3" at 118.212,68.697 h0.76
  text "3V3" at 111.971,68.584 h0.5
  text "IO13- D4" at 118.262,66.653 h0.76
  text "LAN_nRST" at 194.54,66.127 h0.5 r90
  text "ETH_LED_LINK" at 195.54,66.127 h0.5 r90
  text "ETH_LED_SPEED" at 196.589,66.116 h0.5 r90
  text "IO14- D5" at 118.212,64.697 h0.76
  text "12V" at 112.708,64.012 h0.76 r90
  text "IO15- P2_SRCLR" at 118.262,62.779 h0.76
  text "IO16- P2_SRCLK" at 118.212,60.823 h0.76
  text "3V_en" at 110.971,60.584 h0.5
  text "IO17- P2_RCLK" at 118.262,58.779 h0.76
  text "5V_en" at 110.971,58.679 h0.5
  text "DAC_CARD FB GND" at 150.647,57.112 h0.38
  text "DAC_CARD FB -" at 145.034,57.086 h0.38
  text "IO18- P2_nOE" at 118.212,56.823 h0.76
  text "MUX2_A1" at 110.138,56.647 h0.5
  text "1" at 172.212,56.261 h0.38
  text "2" at 172.669,56.236 h0.38
  text "IO19- P2_SER" at 118.262,54.779 h0.76
  text "MUX2_A2" at 109.971,54.767 h0.5
  text "DAC_EXT FB GND" at 154.28,54.648 h0.38
  text "IO20- N2_SRCLR" at 118.212,52.823 h0.76
  text "MUX2_A0" at 109.971,52.684 h0.5
  text "MAIN CONTROL BOARD" at 156.686,51.632 h1.75
  text "DAC_CARD_TRIM" at 139.82,51.054 h0.5 r90
  text "IO21- N2_SRCLK" at 118.262,50.779 h0.76
  text "MUX2_nEN" at 109.472,50.729 h0.5
  text "DAC_CARD_BYPASS" at 132.527,49.01 h0.5
  text "CEVOR Innovation a.s." at 162.433,48.92 h0.76
  text "IO22- N2_RCLK" at 118.212,48.823 h0.76
  text "29-D10" at 110.555,48.689 h0.5
  text "DAC_PWR_SEL" at 157.963,47.564 h0.7
  text "IO23- N2_nOE" at 118.262,46.779 h0.76
  text "28-D9" at 110.971,46.683 h0.5
  text "DAC_EXT FB -" at 154.826,46.685 h0.38 r90
  text "DAC_EXT_TRIM" at 153.173,45.49 h0.5 r180
  text "IO24- N2_SER" at 118.212,44.823 h0.76
  text "27-D8" at 110.971,44.6 h0.5
  text "DAC_EXT_BYPAS" at 136.906,44.279 h0.5
  text "DAC5V" at 166.446,43.561 h0.7 r90
  text "DAC3v3" at 157.074,43.205 h0.7 r90
  text "IO25- D6" at 118.212,42.697 h0.76
  text "26-D7" at 110.971,42.619 h0.5
  text "OPTICAL INPUTS" at 158.07,42.3 h1.2
  text "OUT_SRC+" at 117.492,40.547 h0.5
  text "OUT_SIG" at 123.447,40.547 h0.5
  text "GND1" at 128.386,39.991 h0.7
  text "SIGN1" at 132.409,39.991 h0.7
  text "GND2" at 137.879,39.991 h0.7
  text "SIGN2" at 142.135,39.991 h0.7
  text "GND4" at 157.797,39.991 h0.7
  text "SIGN4" at 162.053,39.991 h0.7
  text "GND5" at 167.756,39.991 h0.7
  text "SIGN5" at 172.013,39.991 h0.7
  text "GND6" at 177.716,39.991 h0.7
  text "SIGN6" at 181.972,39.991 h0.7
  text "GND7" at 187.675,39.991 h0.7
  text "SIGN7" at 191.931,39.991 h0.7
  text "GND8" at 197.634,39.991 h0.7
  text "SIGN8" at 201.89,39.991 h0.7
  text "OPT OUTPUT" at 117.015,38.656 h1
  text "I" at 128.803,38.405 h0.38
  text "I" at 138.785,38.405 h0.38
  text "GND3" at 148.037,38.416 h0.5
  text "I" at 158.748,38.405 h0.38
  text "I" at 168.73,38.405 h0.38
  text "I" at 178.711,38.405 h0.38
  text "I" at 188.693,38.405 h0.38
  text "I" at 198.675,38.405 h0.38
  text "SIGN3" at 153.307,38.369 h0.5
  text "O" at 133.909,38.354 h0.38
  text "O" at 143.89,38.354 h0.38
  text "O" at 163.854,38.354 h0.38
  text "O" at 173.835,38.354 h0.38
  text "O" at 183.817,38.354 h0.38
  text "O" at 193.798,38.354 h0.38
  text "O" at 203.78,38.354 h0.38
  text "DAC2" at 111.122,37.716 h1
  text "OUT_SRC+" at 117.365,21.827 h0.5
  text "OUT_SIG" at 123.32,21.827 h0.5
  text "DAC" at 113.377,21.627 h0.7
  text "GND1" at 128.691,21.627 h0.7
  text "SIGN1" at 133.146,21.627 h0.7
  text "GND2" at 138.183,21.627 h0.7
  text "SIGN2" at 142.871,21.627 h0.7
  text "GND3" at 148.143,21.627 h0.7
  text "SIGN3" at 152.831,21.627 h0.7
  text "GND4" at 158.102,21.627 h0.7
  text "SIGN4" at 162.79,21.627 h0.7
  text "GND5" at 168.061,21.627 h0.7
  text "SIGN5" at 172.749,21.627 h0.7
  text "GND6" at 178.02,21.627 h0.7
  text "SIGN6" at 182.708,21.627 h0.7
  text "GND7" at 187.98,21.627 h0.7
  text "SIGN7" at 192.668,21.627 h0.7
  text "GND8" at 197.939,21.627 h0.7
  text "SIGN8" at 202.627,21.627 h0.7
Bottom Overlay:
  lines w0.127: 113.106,74.879 113.106,81.432 ; 113.208,62.484 113.208,67.64
  text "GPIIOs" at 127.076,93.345 h0.76
  text "CARD" at 121.19,93.248 h0.76
  text "CARD" at 112.708,92.227 h0.76
  text "P1_SER" at 113.218,90.665 h0.5
  text "IO1 - N1_SRCLR" at 128.398,90.652 h0.76
  text "P1_nOE" at 113.218,88.71 h0.5
  text "IO2 - N1_SRCLK" at 128.524,88.696 h0.76
  text "P1_RCLK" at 113.218,86.665 h0.5
  text "IO3 - N1_RCLK" at 127.765,86.652 h0.76
  text "P1_SRCLK" at 113.218,84.71 h0.5
  text "IO4 - N1_SER" at 127.005,84.696 h0.76
  text "P1_SRCLR" at 113.218,82.665 h0.5
  text "IO5 - N1_NOE" at 127.005,82.652 h0.76
  text "IO6 - MUX1_A2" at 127.765,80.696 h0.76
  text "GND" at 112.446,79.451 h0.76 r90
  text "IO7 - MUX1_A1" at 127.511,78.652 h0.76
  text "IO8 - MUX1_nEN" at 128.524,76.696 h0.76
  text "IO9 - MUX1_A0" at 127.765,74.652 h0.76
  text "DAC" at 113.218,72.718 h0.5
  text "IO10- D1" at 123.713,72.57 h0.76
  text "ADC" at 113.218,70.584 h0.5
  text "IO11- D2" at 123.839,70.526 h0.76
  text "3V3" at 113.218,68.584 h0.5
  text "IO12- D3" at 123.966,68.57 h0.76
  text "IO13- D4" at 123.966,66.526 h0.76
  text "12V" at 112.7,65.71 h0.76 r90
  text "IO14- D5" at 123.966,64.57 h0.76
  text "IO15- P2_SRCLR" at 128.524,62.652 h0.76
  text "IO16- P2_SRCLK" at 128.524,60.696 h0.76
  text "3V_en" at 113.218,60.584 h0.5
  text "5V_en" at 113.218,58.679 h0.5
  text "IO17- P2_RCLK" at 127.765,58.652 h0.76
  text "IO18- P2_nOE" at 127.005,56.696 h0.76
  text "MUX2_A1" at 113.218,56.647 h0.5
  text "MUX2_A2" at 113.218,54.767 h0.5
  text "IO19- P2_SER" at 127.005,54.652 h0.76
  text "IO20- N2_SRCLR" at 128.651,52.696 h0.76
  text "MUX2_A0" at 113.218,52.684 h0.5
  text "MUX2_nEN" at 113.218,50.729 h0.5
  text "IO21- N2_SRCLK" at 128.524,50.652 h0.76
  text "29-D10" at 113.218,48.689 h0.5
  text "IO22- N2_RCLK" at 127.891,48.696 h0.76
  text "28-D9" at 113.218,46.683 h0.5
  text "IO23- N2_nOE" at 127.131,46.652 h0.76
  text "IO24- N2_SER" at 127.131,44.696 h0.76
  text "27-D8" at 113.218,44.6 h0.5
  text "26-D7" at 113.218,42.619 h0.5
  text "IO25- D6" at 116.662,41.504 h0.76 r90
  text "Filip Paul - rev1 - 05.03.2023" at 206.477,22.377 h0.76

## Text inside footprints (layer, text, board x,y; h text height)
D1_U_Opto_inputs1: Top Assembly "-" at 129.967,37.809 h0.51 r180; Top Assembly "+" at 128.167,37.727 h0.51 r180; Top Overlay "-" at 130.445,38.323 h0.51 r180; Top Overlay "+" at 127.763,38.428 h0.51 r180
D1_U_Opto_inputs2: Top Assembly "-" at 139.948,37.809 h0.51 r180; Top Assembly "+" at 138.148,37.727 h0.51 r180; Top Overlay "-" at 140.427,38.323 h0.51 r180; Top Overlay "+" at 137.745,38.428 h0.51 r180
D1_U_Opto_inputs3: Top Assembly "-" at 149.93,37.809 h0.51 r180; Top Assembly "+" at 148.13,37.727 h0.51 r180; Top Overlay "-" at 150.409,38.323 h0.51 r180; Top Overlay "+" at 147.727,38.428 h0.51 r180
D1_U_Opto_inputs4: Top Assembly "-" at 159.911,37.809 h0.51 r180; Top Assembly "+" at 158.112,37.727 h0.51 r180; Top Overlay "-" at 160.39,38.323 h0.51 r180; Top Overlay "+" at 157.708,38.428 h0.51 r180
D1_U_Opto_inputs5: Top Assembly "-" at 169.893,37.809 h0.51 r180; Top Assembly "+" at 168.093,37.727 h0.51 r180; Top Overlay "-" at 170.372,38.323 h0.51 r180; Top Overlay "+" at 167.69,38.428 h0.51 r180
D1_U_Opto_inputs6: Top Assembly "-" at 179.874,37.809 h0.51 r180; Top Assembly "+" at 178.075,37.727 h0.51 r180; Top Overlay "-" at 180.353,38.323 h0.51 r180; Top Overlay "+" at 177.671,38.428 h0.51 r180
D1_U_Opto_inputs7: Top Assembly "-" at 189.856,37.809 h0.51 r180; Top Assembly "+" at 188.056,37.727 h0.51 r180; Top Overlay "-" at 190.335,38.323 h0.51 r180; Top Overlay "+" at 187.653,38.428 h0.51 r180
D1_U_Opto_inputs8: Top Assembly "-" at 199.838,37.809 h0.51 r180; Top Assembly "+" at 198.038,37.727 h0.51 r180; Top Overlay "-" at 200.317,38.323 h0.51 r180; Top Overlay "+" at 197.635,38.428 h0.51 r180
D2: Top Assembly "-" at 173.849,88.76 h0.51 r180; Top Assembly "+" at 172.049,88.679 h0.51 r180; Top Overlay "-" at 174.328,89.275 h0.51 r180; Top Overlay "+" at 171.646,89.38 h0.51 r180
D3: Top Assembly "-" at 121.913,37.808 h0.51 r180; Top Assembly "+" at 120.113,37.727 h0.51 r180; Top Overlay "-" at 122.392,38.323 h0.51 r180; Top Overlay "+" at 119.71,38.428 h0.51 r180
D4: Top Assembly "K" at 184.329,96.377 h0.51 r270; Top Assembly "A" at 184.456,90.281 h0.51 r270; Top Overlay "K" at 184.329,96.377 h0.51 r270; Top Overlay "A" at 184.456,90.281 h0.51 r270
D5_U_Opto_inputs1: Top Assembly "-" at 132.791,36.691 h0.51; Top Assembly "+" at 134.591,36.773 h0.51; Top Overlay "-" at 132.312,36.177 h0.51; Top Overlay "+" at 134.994,36.072 h0.51
D5_U_Opto_inputs2: Top Assembly "-" at 142.773,36.691 h0.51; Top Assembly "+" at 144.573,36.773 h0.51; Top Overlay "-" at 142.294,36.177 h0.51; Top Overlay "+" at 144.976,36.072 h0.51
D5_U_Opto_inputs3: Top Assembly "-" at 152.754,36.691 h0.51; Top Assembly "+" at 154.554,36.773 h0.51; Top Overlay "-" at 152.275,36.177 h0.51; Top Overlay "+" at 154.957,36.072 h0.51
D5_U_Opto_inputs4: Top Assembly "-" at 162.736,36.691 h0.51; Top Assembly "+" at 164.536,36.773 h0.51; Top Overlay "-" at 162.257,36.177 h0.51; Top Overlay "+" at 164.939,36.072 h0.51
D5_U_Opto_inputs5: Top Assembly "-" at 172.718,36.691 h0.51; Top Assembly "+" at 174.517,36.773 h0.51; Top Overlay "-" at 172.239,36.177 h0.51; Top Overlay "+" at 174.921,36.072 h0.51
D5_U_Opto_inputs6: Top Assembly "-" at 182.699,36.691 h0.51; Top Assembly "+" at 184.499,36.773 h0.51; Top Overlay "-" at 182.22,36.177 h0.51; Top Overlay "+" at 184.902,36.072 h0.51
D5_U_Opto_inputs7: Top Assembly "-" at 192.681,36.691 h0.51; Top Assembly "+" at 194.48,36.773 h0.51; Top Overlay "-" at 192.202,36.177 h0.51; Top Overlay "+" at 194.884,36.072 h0.51
D5_U_Opto_inputs8: Top Assembly "-" at 202.662,36.691 h0.51; Top Assembly "+" at 204.462,36.773 h0.51; Top Overlay "-" at 202.183,36.177 h0.51; Top Overlay "+" at 204.865,36.072 h0.51
D6: Top Assembly "-" at 187.771,71.758 h0.51 r90; Top Assembly "+" at 187.689,73.558 h0.51 r90; Top Overlay "-" at 188.285,71.279 h0.51 r90; Top Overlay "+" at 188.391,73.961 h0.51 r90
D8: Top Assembly "-" at 147.904,97.074 h0.51 r270; Top Assembly "+" at 147.986,95.275 h0.51 r270; Top Overlay "-" at 147.39,97.553 h0.51 r270; Top Overlay "+" at 147.285,94.871 h0.51 r270
D9: Bottom Assembly "K" at 172.143,100.965 h0.51; Bottom Assembly "A" at 166.047,101.092 h0.51; Bottom Overlay "K" at 172.143,100.965 h0.51; Bottom Overlay "A" at 166.047,101.092 h0.51
D10: Top Assembly "K" at 188.079,96.377 h0.51 r270; Top Assembly "A" at 188.206,90.281 h0.51 r270; Top Overlay "K" at 188.079,96.377 h0.51 r270; Top Overlay "A" at 188.206,90.281 h0.51 r270
D11: Top Assembly "-" at 164.287,106.091 h0.51 r270; Top Assembly "+" at 164.369,104.292 h0.51 r270; Top Overlay "-" at 163.773,106.57 h0.51 r270; Top Overlay "+" at 163.668,103.888 h0.51 r270
D12: Top Assembly "K" at 180.329,96.377 h0.51 r270; Top Assembly "A" at 180.456,90.281 h0.51 r270; Top Overlay "K" at 180.329,96.377 h0.51 r270; Top Overlay "A" at 180.456,90.281 h0.51 r270
D13: Top Assembly "-" at 180.67,103.094 h0.51 r270; Top Assembly "+" at 180.752,101.294 h0.51 r270; Top Overlay "-" at 180.156,103.573 h0.51 r270; Top Overlay "+" at 180.205,100.889 h0.51 r270
J15_U_PORT_SINGLE1: Top Assembly "1" at 187.626,118.063 h1.02 r180; Top Assembly "2" at 187.747,115.392 h1.02 r180
J15_U_PORT_SINGLE2: Top Assembly "1" at 166.154,118.033 h1.02 r180; Top Assembly "2" at 166.275,115.363 h1.02 r180
J15_U_PORT_SINGLE3: Top Assembly "1" at 144.735,118.038 h1.02 r180; Top Assembly "2" at 144.856,115.367 h1.02 r180
P1: Top Assembly "1" at 155.372,97.13 h0.38
P2: Top Assembly "1" at 155.397,94.259 h0.38
P8: Top Assembly "1" at 192.214,78.448 h0.38
P9: Top Assembly "1" at 114.249,105.08 h0.38 r270
P11: Top Assembly "1" at 157.658,47.193 h0.38